# Altium PCB Coral Dev Board Micro.PcbDoc (part 3 of 6)
Units mm, origin at the board's own origin, x right, y up, seen from the top; angles counter-clockwise.
Board outline 65 x 30 mm, 8 copper layers (Top Layer, L2, L3, L4, L5, L6, L7, Bottom Layer), stack 1.582 mm thick; 356 components, 316 nets, 1515 pads, 809 vias.
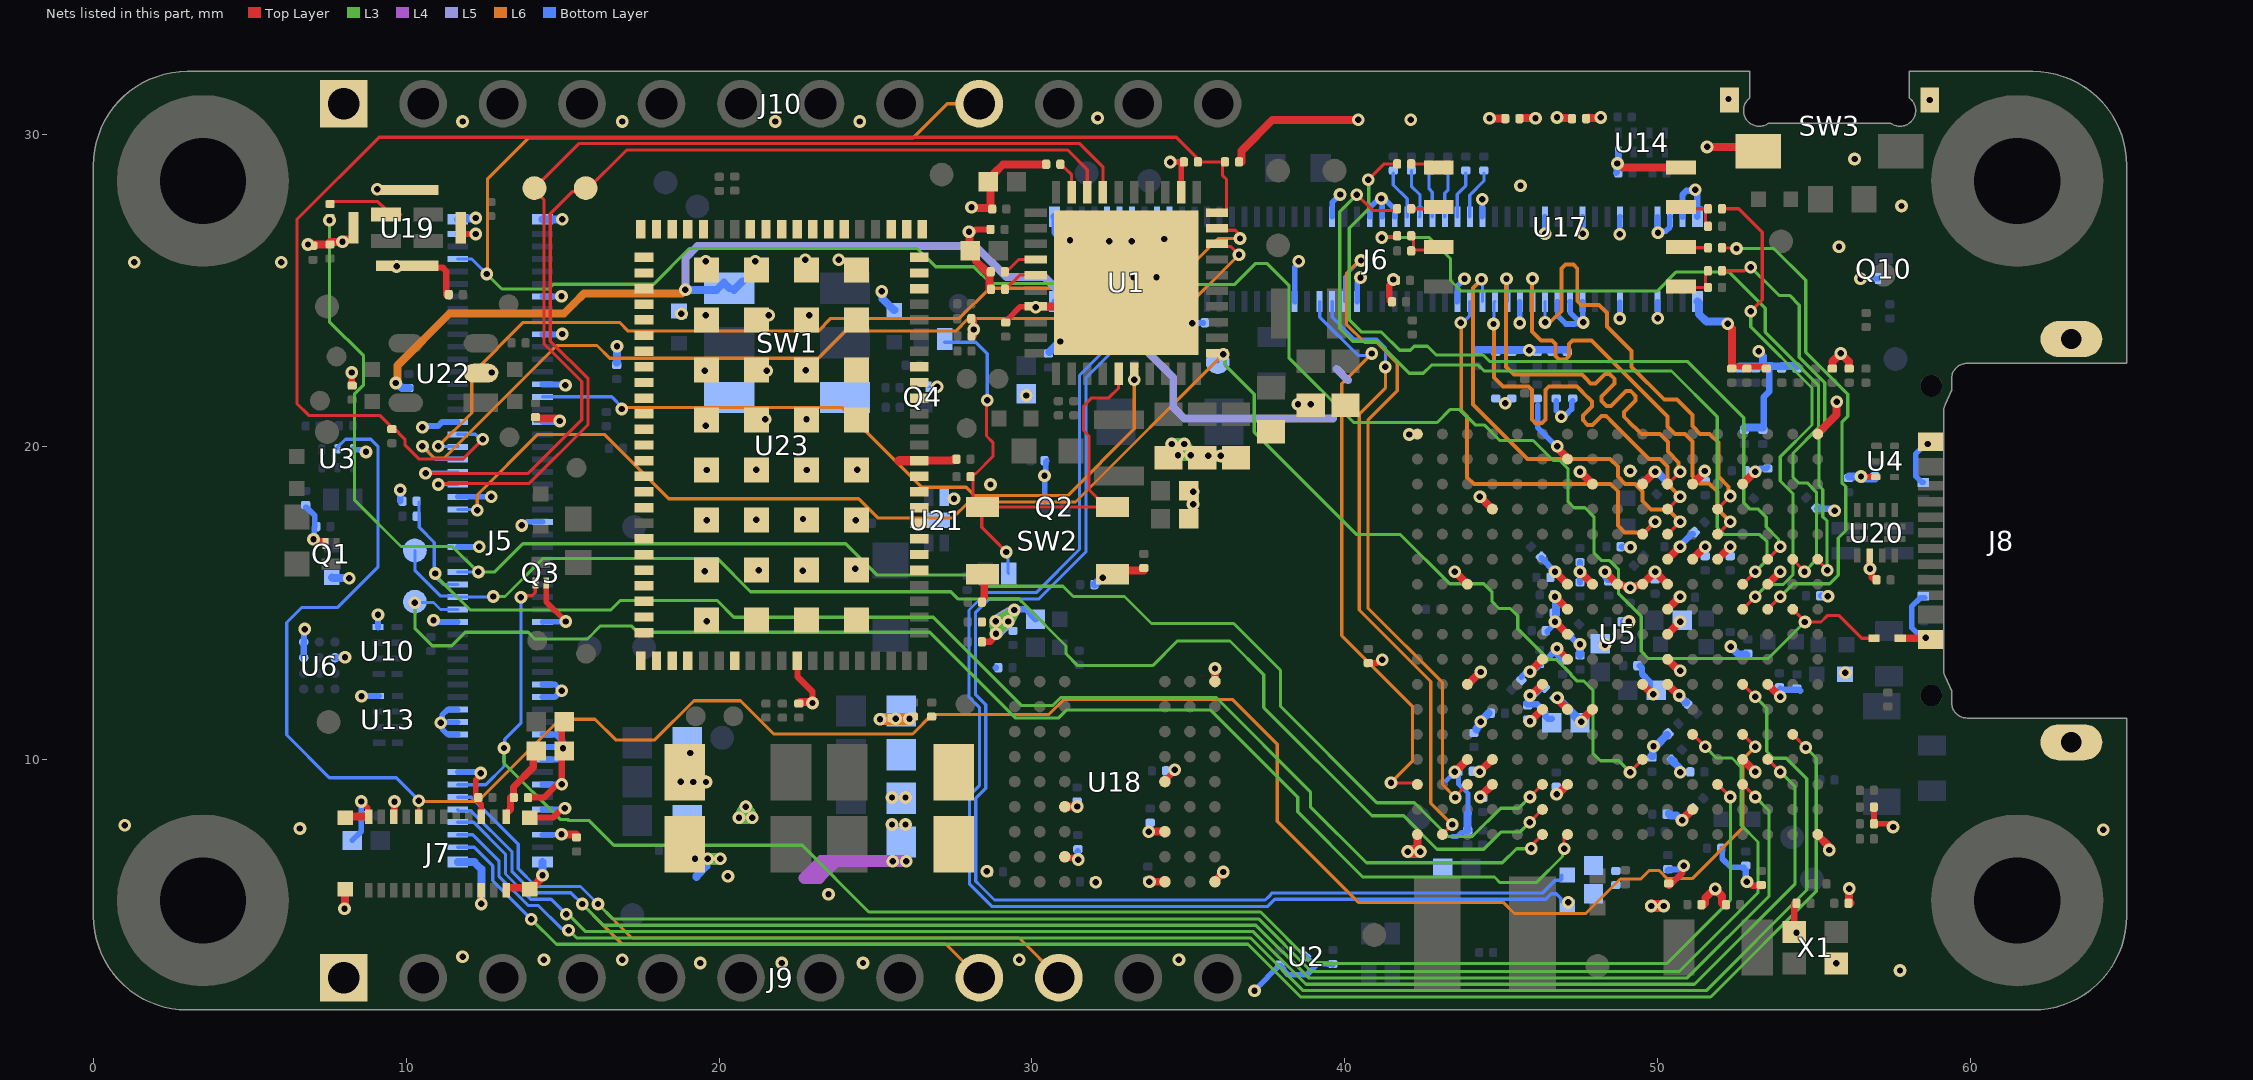
[diagram p9: the nets of this part, all layers, seen from the top]

## Via types
v1: diameter 0.406, hole 0.203, Top Layer to Bottom Layer, tented both sides, 809 vias

## Nets (pads, with @x,y where several pads share a name; then routed paths per layer and width w, separated by ;. In a path a pad name is that pad's centre, name@x,y a point inside that pad or via, vN(x,y) a via of type N, cw(c..) or ccw(c..) an arc to the next point about the centre after c; other vN are vias at no path point) (continued)
CSI_VSYNC: J7.5 U3.2 U5.N14 | length 72.3
  Top Layer w0.102: J7.5@10.399,8.176 v1(10.399,8.682) ; U5.N14@52.722,10.808 v1(53.122,10.408)
  L6 w0.102: v1(10.399,8.682) 10.419,8.661 12.283,8.661 14.915,11.293 16.032,11.293 16.695,10.63 17.945,10.63 19.197,11.882 20.686,11.882 21.747,10.82 26.187,10.82 26.812,11.445 30.546,11.445 31.029,11.928 36.408,11.928 37.846,10.49 37.846,8.026 40.437,5.436 45.062,5.436 45.418,5.08 47.707,5.08 48.813,6.185 49.462,6.185 49.728,6.452 50.063,6.452 50.317,6.198 51.105,6.198 52.73,7.823 52.73,10.016 v1(53.122,10.408)
  Bottom Layer w0.102: U3.2@7.798,19.934 7.798,19.984 8.057,20.244 8.865,20.244 9.093,20.015 9.093,16.154 7.798,14.859 6.652,14.859 6.178,14.385 6.178,10.789 7.544,9.423 9.677,9.423 10.399,8.702 v1(10.399,8.682)
DA_GPIO0_WDOG_KICK: J5.55 TP27.1 U1.21 U5.P10 | length 51.2
  Top Layer w0.102: U1.21@35.92,22.99 36.091,22.99 v1(36.119,22.962) ; v1(49.124,9.601) 49.124,9.61 U5.P10@49.522,10.008
  L3 w0.102: v1(36.119,22.962) 36.177,22.903 36.177,22.614 37.109,21.682 37.109,20.471 40.385,17.196 41.783,17.196 43.358,15.621 44.45,15.621 44.704,15.367 44.704,15.062 44.933,14.834 45.294,14.834 45.529,14.598 45.529,14.186 46.518,13.198 46.772,13.198 47.223,12.746 47.223,12.718 47.432,12.509 47.65,12.509 47.935,12.225 47.935,10.206 48.177,9.964 48.761,9.964 v1(49.124,9.601)
  L6 w0.102: v1(12.268,17.97) 12.268,18.461 14.204,20.396 16.332,20.396 18.39,18.339 24.46,18.339 25.07,17.729 27.475,17.729 27.983,18.237 31.394,18.237 v1(36.119,22.962)
  Bottom Layer w0.102: J5.55@11.645,18 12.268,18 v1(12.268,17.97) ; TP27.1@35.941,22.708 35.941,22.784 v1(36.119,22.962)
DA_GPIO2: J5.63 U1.28 | length 31.4
  Top Layer w0.102: U1.28@35.92,26.49 36.004,26.405 36.351,26.405 v1(36.62,26.137)
  L6 w0.102: v1(10.516,20.015) 10.521,20.015 10.902,19.634 11.206,19.634 14.813,23.241 16.096,23.241 16.502,22.835 23.165,22.835 24.03,23.699 27.568,23.699 27.973,24.105 34.588,24.105 v1(36.62,26.137)
  Bottom Layer w0.102: v1(10.516,20.015) 10.521,20.015 10.936,19.6 J5.63@11.645,19.6
DA_GPIO3: J5.65 U1.29 | length 30.6
  Top Layer w0.102: U1.29@36.209,26.939 36.224,26.924 36.497,26.924 36.594,26.827 36.594,26.719 v1(36.652,26.66)
  L6 w0.102: v1(11.024,20.015) 12.09,21.082 12.09,22.327 13.741,23.978 16.815,23.978 17.094,23.698 23.165,23.698 23.571,24.105 27.683,24.105 28.648,25.07 34.366,25.07 35.957,26.66 v1(36.652,26.66)
  Bottom Layer w0.102: v1(11.024,20.015) 11.031,20.008 11.637,20.008 J5.65@11.645,20
DA_GPIO4_SYS_EN: J5.67 R6.2 R7.1 R9.2 U1.30 | length 46.8
  Top Layer w0.102: v1(12.446,20.244) 12.383,20.244 12.383,20.18 11.811,19.609 10.414,19.609 9.957,20.066 9.957,20.249 9.565,20.64 9.54,20.64 9.515,20.64 9.15,21.006 6.883,21.006 6.502,21.387 6.502,27.268 9.13,29.896 34.62,29.896 35.382,29.133 35.382,29.108 36.098,29.108 36.098,28.672 36.22,28.55 36.22,27.574 36.136,27.49 U1.30@35.92,27.49
  Bottom Layer w0.102: J5.67@11.645,20.4 12.207,20.4 12.364,20.244 v1(12.446,20.244)
DA_IREF: R5.2 U1.4 | length 1.1
  Top Layer w0.102: R5.2@29.21,25.544 29.21,25.595 29.21,25.62 29.579,25.99 U1.4@30.12,25.99
DA_nIRQ: J5.61 TP6.1 U1.37 | length 34.5
  Top Layer w0.102: v1(10.617,19.152) 13.894,19.152 15.608,20.866 15.608,22.09 14.402,23.297 14.402,27.905 14.097,28.21 TP6.1@14.097,28.27 15.519,29.693 31.529,29.693 32.27,28.952 U1.37@32.27,28.267
  Bottom Layer w0.102: v1(10.617,19.152) 10.654,19.188 11.633,19.188 J5.61@11.645,19.2
DA_nONKEY: D1.K D6.K R166.1 SW2.1 SW2.2 U1.15 | length 19
  Top Layer w0.102: v1(28.575,21.488) 28.55,21.463 28.55,20.345 28.753,20.142 28.753,19.69 28.212,19.149 28.187,19.149 28.113,19.075 28.113,19.05 28.113,18.349 28.387,18.075 SW2.1@28.425,18.075 ; v1(29.185,16.637) 28.813,17.009 28.397,17.424 28.397,18.047 SW2.1@28.425,18.075 ; SW2.2@32.575,18.075 SW2.2@32.268,18.075 ; U1.15@32.77,22.467 32.77,21.873 32.461,21.565 31.91,21.565 31.648,21.303 31.648,20.523 31.826,20.345 31.826,18.624 32.268,18.182 SW2.2@32.268,18.075 ; SW2.1@28.425,18.075 SW2.2@32.268,18.075
  Bottom Layer w0.102: D6.K@27.217,23.343 28.208,23.343 28.575,22.976 v1(28.575,21.488) ; v1(29.185,16.637) 29.235,16.586 29.235,15.971 D1.K@29.255,15.951
DA_nRESET: J5.59 TP5.1 U1.38 | length 32.5
  Top Layer w0.102: v1(11.024,18.796) 11.059,18.832 13.929,18.832 15.811,20.714 15.811,22.174 14.605,23.381 14.605,27.457 15.301,28.153 15.707,28.153 17.043,29.489 31.14,29.489 31.77,28.86 U1.38@31.77,28.267
  Bottom Layer w0.102: v1(11.024,18.796) 10.922,18.796 10.918,18.8 J5.59@11.645,18.8
DA_nRESETREQ: J5.74 R4.1 U1.16 | length 23.1
  Top Layer w0.102: U1.16@33.27,22.467 U1.16@33.27,22.34 33.27,22.153 v1(33.274,22.149)
  L6 w0.102: v1(16.891,21.209) 16.942,21.26 23.927,21.26 26.479,18.707 27.897,18.707 28.164,18.44 31.14,18.44 33.274,20.574 v1(33.274,22.149)
  Bottom Layer w0.102: J5.74@14.355,21.6 16.564,21.6 16.891,21.273 v1(16.891,21.209) ; R4.1@33.274,22.098 v1(33.274,22.149)
DA_VDDCORE: C1.2 U1.39 | length 1
  Top Layer w0.102: C1.2@30.953,29.032 30.953,29.002 31.032,28.923 31.041,28.923 31.27,28.694 U1.39@31.27,28.14
DA_VREF: C16.1 U1.5 | length 1.4
  Top Layer w0.102: C16.1@29.185,24.986 29.185,25.016 C16.1@29.195,25.026 ; C16.1@29.185,25.036 29.185,25.066 29.608,25.49 U1.5@30.12,25.49 U1.5@30.374,25.49
DAC_OUT: D31.K J5.95 J10.9 U5.H16 | length 77.9
  Top Layer w0.102: U5.H16@54.322,14.808 54.712,14.418 v1(54.712,14.402) 55.225,14.402 55.428,14.605 55.804,14.605 56.528,13.881 D31.K@56.921,13.881
  L3 w0.102: v1(12.573,25.527) 13.056,25.044 14.554,25.044 14.707,25.197 17.907,25.197 19.05,26.34 26.34,26.34 26.924,25.756 28.143,25.756 28.677,25.222 31.242,25.222 31.699,24.765 34.342,24.765 34.764,25.187 36.469,25.187 37.14,25.857 37.525,25.857 38.217,25.166 38.217,22.848 40.287,20.777 42.952,20.777 43.364,21.189 43.68,21.189 44.168,20.701 44.457,20.701 44.954,20.203 46.024,20.203 46.664,19.564 46.869,19.564 47.142,19.29 47.142,18.239 47.329,18.052 47.683,18.052 47.966,17.769 47.966,16.612 48.214,16.364 48.469,16.364 48.758,16.075 48.758,15.301 49.479,14.58 49.479,13.462 49.708,13.233 53.543,13.233 v1(54.712,14.402)
  L6 w0.102: v1(12.573,25.527) 12.598,25.552 12.598,28.575 13.894,29.87 26.189,29.87 27.289,30.97 28.29,30.97 J10.9@28.32,31
  Bottom Layer w0.102: J5.95@11.645,26 12.1,26 v1(12.573,25.527)
DCDC_1V8_OUT: C19.1 C22.1 C279.1 FB2.1 J6.10 R7.2 R23.2 R24.2 R139.2 R140.2 R141.2 R142.2 R143.2 R144.2 R145.2 R146.2 R147.2 R148.2 R149.2 R150.2 R373.2 R374.2 R416.2 SW1.4 U5.M6 | length 95.4
  Top Layer w0.102: C22.1@45.66,30.493 C22.1@45.672,30.505 ; v1(45.923,11.227) v1@45.932,11.227 ; U5.M6@46.313,11.608 U5.M6@46.322,11.608
  Top Layer w0.254: R7.2@36.698,29.108 36.7,29.11 36.7,29.461 37.694,30.455 v1(40.437,30.455) ; C22.1@45.672,30.505 v1(46.101,30.505) ; v1@45.932,11.227 U5.M6@46.313,11.608 ; C19.1@47.806,30.522 47.816,30.512 48.165,30.512 v1(48.184,30.531) ; R374.2@55.588,22.576 55.593,22.576 55.595,22.578 55.595,22.727 v1(55.855,22.987) 56.119,22.723 56.119,22.578 56.121,22.576 R373.2@56.126,22.576
  L6 w0.254: v1(9.663,22.039) 9.682,22.039 9.69,22.047 9.719,22.076 9.719,22.601 11.375,24.257 15.037,24.257 15.367,24.587 ; 15.367,24.588 15.683,24.905 18.809,24.905 v1(18.923,25.019)
  L5 w0.254: v1(18.923,25.019) 18.923,26.035 19.304,26.416 28.194,26.416 29.185,25.425 30.404,25.425 32.403,23.426 33.312,23.426 34.519,22.22 34.519,21.26 34.874,20.904 39.627,20.904 ; 39.743,22.487 40.101,22.129
  L5 w0.381: v1(49.124,19.228) v1@49.128,19.233
  Bottom Layer w0.102: J6.10@32.8,24.645 32.8,24.41 32.844,24.366 32.859,24.366 32.918,24.306 32.918,23.681 31.521,22.284 31.521,16.721 30.142,15.342 28.55,15.342 27.991,14.783 27.991,12.002 28.321,11.671 28.321,9.169 28.003,8.852 28.003,6.027 28.169,5.862 28.169,5.859 28.719,5.309 37.54,5.309 37.667,5.436 37.769,5.537 46.431,5.537 46.609,5.715 46.761,5.715 46.918,5.559 46.918,5.478 46.96,5.436 v1(47.142,5.436) ; R416.2@47.117,5.291 R416.2@47.117,5.436 ; v1(49.124,19.228) 49.131,19.235 R139.2@49.131,19.271 ; R141.2@53.98,22.576 R141.2@53.985,22.581 ; FB2.1@55.993,12.725 55.993,12.762 v1(56.007,12.776)
  Bottom Layer w0.203: R142.2@53.365,20.62 53.367,20.62 53.391,20.643 53.391,21.591 53.569,21.769 53.569,22.5 53.645,22.576
  Bottom Layer w0.254: v1@9.69,22.028 9.716,22.028 9.863,21.881 10.081,21.881 R24.2@10.084,21.878 ; v1@18.923,25.095 v1(18.923,25.019) 19.922,25.019 20.15,25.248 SW1.4@20.324,25.074 ; SW1.4@20.473,25.019 SW1.4@20.747,25.293 ; R146.2@44.221,23.104 44.831,23.104 44.852,23.104 44.863,23.094 45.23,23.094 45.239,23.102 45.337,23.102 45.339,23.104 45.341,23.102 45.439,23.102 45.443,23.099 45.888,23.099 v1(45.898,23.089) 45.914,23.104 46.152,23.104 46.634,23.104 R150.2@47.116,23.104 ; R144.2@52.629,22.576 53.137,22.576 53.391,22.576 ; R140.2@52.781,20.62 R142.2@53.365,20.62 ; v1(53.238,23.052) 53.238,23.011 53.365,22.884 53.365,22.584 53.637,22.584 53.645,22.576 R141.2@53.98,22.576 ; R141.2@53.985,22.581 R23.2@54.458,22.581
DCDC_1V8_OUT_SENSE: C118.1 C124.1 C138.1 C280.1 J6.12 R416.1 U5.M7 U5.M8 | length 44.5
  Top Layer w0.102: v1@46.799,11.931 v1(46.799,11.976) ; v1(47.561,11.214) v1@47.561,11.248
  Top Layer w0.254: v1@46.799,11.931 U5.M7@47.122,11.608 ; v1@47.561,11.248 U5.M8@47.922,11.608
  Bottom Layer w0.102: J6.12@33.2,24.645 33.2,24.41 33.122,24.332 33.122,23.597 31.725,22.2 31.725,16.637 30.226,15.138 28.634,15.138 28.194,14.699 28.194,12.09 28.524,11.76 28.524,9.08 28.207,8.763 28.207,6.111 28.372,5.946 28.372,5.944 28.804,5.512 37.456,5.512 37.583,5.639 37.685,5.74 46.33,5.74 46.736,6.147 46.787,6.147 46.918,6.147 46.939,6.168 R416.1@46.939,6.316 ; C138.1@47.522,11.259 47.561,11.219 v1(47.561,11.214)
  Bottom Layer w0.203: v1(46.799,11.976) 46.806,11.976 46.894,11.888 46.896,11.888 47.339,11.445 47.339,11.366 C138.1@47.522,11.183
  Bottom Layer w0.254: C124.1@46.77,12.005 C124.1@46.775,12.01 ; C124.1@46.802,11.983 47.339,11.445 47.339,11.442 47.516,11.265 47.561,11.265 C138.1@47.561,11.219
DCDC_PSWITCH: C286.1 R396.2 U5.P3 | length 3.7
  Top Layer w0.254: v1(43.522,9.608) U5.P3@43.922,10.008
  Bottom Layer w0.15: 43.246,9.332 43.376,9.462 43.496,9.462 C286.1@43.641,9.607 ; 43.441,7.544 43.442,7.545 43.591,7.545 43.727,7.681 43.874,7.681 R396.2@43.929,7.736 ; C286.1@43.641,9.627 C286.1@43.641,9.607 ; 43.942,8.277 43.942,8.919 43.641,9.22 C286.1@43.641,9.607
  Bottom Layer w0.254: R396.2@43.929,7.736 43.929,8.265 43.942,8.277
DMIC_DATA0: J5.45 R87.2 U5.R6 | length 54.7
  Top Layer w0.102: v1(45.922,8.808) U5.R6@46.322,9.208
  L3 w0.102: v1(7.544,27.241) 7.544,23.998 8.636,22.906 8.636,21.981 8.341,21.687 8.341,18.303 9.83,16.815 11.468,16.815 12.281,16.002 12.827,16.002 13.729,16.904 24.051,16.904 25.054,15.9 28.067,15.9 28.423,15.545 30.996,15.545 31.326,15.215 32.961,15.215 33.825,14.351 36.449,14.351 37.948,12.852 37.948,11.704 41.028,8.623 42.233,8.623 43.312,7.544 44.082,7.544 44.983,8.445 45.559,8.445 v1(45.922,8.808)
  Bottom Layer w0.102: J5.45@11.645,16 11.646,16.001 v1(12.306,16.002) v1(12.306,16.002)
DMIC_DATA0_ONBOARD: R87.1 U19.1 | length 2.4
  Top Layer w0.102: R87.1@7.563,27.838 9.093,27.838 9.324,27.608 9.324,27.599 9.498,27.425 U19.1@9.825,27.425
DMIC_DATA1: J5.43 R37.1 R38.2 U5.U6 | length 43.7
  Top Layer w0.102: v1@46.015,7.292 46.322,7.6 U5.U6@46.322,7.608
  L3 w0.102: v1(10.922,15.951) 10.922,15.9 12.04,14.783 16.535,14.783 16.84,15.088 19.939,15.088 20.472,14.554 26.848,14.554 29.439,11.963 29.439,11.958 29.662,11.735 30.676,11.735 30.93,11.989 35.885,11.989 38.904,8.969 38.904,8.497 40.696,6.706 45.042,6.706 45.49,7.154 45.953,7.154 v1(45.961,7.163)
  Bottom Layer w0.102: R38.2@10.404,18.237 10.404,17.78 10.414,17.77 10.414,17.424 10.897,16.942 10.897,15.977 10.98,15.893 10.98,15.804 11.184,15.6 J5.43@11.645,15.6
DMIC_DATA2__JTAG_TCK: J5.41 TP21.1 U5.T6 | length 43.5
  Top Layer w0.102: v1(45.915,8.001) U5.T6@46.322,8.408
  L3 w0.102: v1(12.776,15.215) 13.157,15.215 14.376,16.434 19.939,16.434 21.006,15.367 27.407,15.367 27.635,15.138 29.586,15.138 29.794,14.93 31.09,13.635 31.09,13.386 31.471,13.005 33.858,13.005 34.646,13.792 36.335,13.792 37.414,12.713 37.414,11.663 40.873,8.204 41.885,8.204 42.951,7.137 44.445,7.137 44.991,7.683 45.597,7.683 v1(45.915,8.001)
  Bottom Layer w0.102: TP21.1@10.274,16.688 10.274,16.053 11.1,15.227 11.618,15.227 J5.41@11.645,15.2 12.838,15.2 12.81,15.227 12.785,15.202 12.776,15.211 v1(12.776,15.215)
DMIC_DATA3__JTAG_TMS: J5.39 TP24.1 U5.U7 | length 44.5
  Top Layer w0.102: v1(47.015,7.15) 47.015,7.501 U5.U7@47.122,7.608
  L3 w0.102: v1(10.274,15.011) 10.274,14.199 10.833,13.64 11.455,13.64 11.887,14.072 13.894,14.072 14.108,13.858 15.793,13.858 16.21,14.275 17.196,14.275 17.399,14.072 26.737,14.072 29.48,11.328 30.844,11.328 31.098,11.582 35.716,11.582 38.498,8.801 38.498,8.329 40.578,6.248 44.788,6.248 44.966,6.071 46.129,6.071 46.962,6.904 46.962,7.097 v1(47.015,7.15)
  Bottom Layer w0.102: TP24.1@10.428,15.024 10.871,15.024 11.095,14.8 J5.39@11.645,14.8
DVDD15: C35.1 C80.1 J7.12 | length 2.5
  Top Layer w0.229: J7.12@13.2,8.175 13.2,8.28 13.331,8.411 13.331,8.78 C80.1@13.365,8.814 ; C80.1@13.365,8.788 C80.1@13.365,8.814 ; C35.1@14.153,10.278 14.059,10.184 14.059,9.759 13.426,9.126 13.426,8.874 C80.1@13.366,8.814
ENET_RGMII_MDC: J6.44 U5.U2 | length 19.9
  Top Layer w0.102: U5.U2@43.122,7.608 43.122,7.61 43.434,7.922 v1(43.434,7.925)
  L6 w0.102: v1(41.3,22.555) 41.3,21.877 40.462,21.039 40.462,14.783 42.748,12.497 42.748,8.611 v1(43.434,7.925)
  Bottom Layer w0.102: J6.44@39.6,24.645 39.6,24.145 40.3,23.444 41.026,23.444 41.3,23.17 v1(41.3,22.555)
ENET_RGMII_MDIO: J6.46 U5.R3 | length 22
  Top Layer w0.102: v1(43.536,8.788) 43.536,8.822 U5.R3@43.922,9.208
  L6 w0.102: v1(40.523,25.959) 40.483,25.959 40.054,25.531 40.054,23.915 40.632,23.338 41.021,23.338 41.681,22.677 41.681,21.793 40.742,20.853 40.742,14.849 43.129,12.461 43.129,9.195 v1(43.536,8.788)
  Bottom Layer w0.102: J6.46@40,24.645 40,25.446 40.513,25.959 v1(40.523,25.959)
ENET_RGMII_RX_EN: J6.76 U5.E13 | length 13.9
  Top Layer w0.102: U5.E13@51.922,17.208 v1(52.322,17.608)
  L6 w0.127: v1(46.003,25.379) 45.992,25.367 45.992,23.68 46.279,23.393 46.33,23.393 46.629,23.393 46.737,23.285 46.737,22.905 46.845,22.797 47.061,22.797 47.169,22.905 47.169,23.285 47.277,23.393 47.34,23.393 47.893,23.393 50.322,20.965 50.322,20.651 50.559,20.414 50.872,20.414 51.116,20.171 51.116,19.067 51.348,18.834 51.653,18.834 51.916,18.571 51.916,18.014 v1(52.322,17.608)
  Bottom Layer w0.102: J6.76@46,24.645 46.002,24.647 46.002,25.377 v1(46.003,25.379)
ENET_RGMII_RXC: J6.78 U5.D13 | length 14
  Top Layer w0.102: U5.D13@51.922,18.008 51.922,18.017 52.322,18.417 v1(52.322,18.426)
  L6 w0.127: v1(46.406,23.978) 46.459,24.031 46.612,24.031 46.927,24.346 46.927,24.663 46.927,25.183 46.927,25.702 47.054,25.829 47.308,25.829 47.435,25.702 47.435,24.663 47.562,24.536 48.057,24.536 48.134,24.536 48.387,24.283 48.387,23.85 49.174,23.063 49.174,22.555 50.216,21.514 50.622,21.514 51.116,21.02 51.116,20.665 51.128,20.652 51.128,20.645 51.359,20.414 51.669,20.414 51.943,20.14 51.943,19.05 52.269,18.724 52.269,18.461 v1@52.322,18.408
  Bottom Layer w0.102: J6.78@46.4,24.645 46.403,24.642 46.403,23.98 v1(46.406,23.978)
ENET_RGMII_RXD0: J6.70 U5.D11 | length 13.9
  Top Layer w0.102: U5.D11@50.322,18.008 v1(50.722,18.408)
  L6 w0.127: v1(44.755,23.927) 44.77,23.912 44.77,22.215 45.06,21.925 45.38,21.925 45.875,21.925 45.983,21.817 45.983,20.871 46.091,20.763 46.307,20.763 46.415,20.871 46.415,21.817 46.523,21.925 46.68,21.925 47.423,21.925 47.55,21.799 47.594,21.754 47.9,21.449 47.9,21.296 47.611,21.008 47.611,20.855 47.764,20.702 47.917,20.702 48.205,20.991 48.358,20.991 48.457,20.891 48.502,20.847 49.734,19.614 50.072,19.614 50.316,19.371 50.316,18.814 v1(50.722,18.408)
  Bottom Layer w0.102: v1(44.755,23.927) 44.777,23.949 44.777,24.622 J6.70@44.8,24.645
ENET_RGMII_RXD1: J6.68 U5.E11 | length 13.9
  Top Layer w0.102: U5.E11@50.322,17.208 v1(50.722,17.608)
  L6 w0.127: v1(44.374,25.362) 44.374,25.339 44.107,25.072 44.107,21.349 45.842,19.614 48.483,19.614 48.73,19.367 48.73,19.05 48.966,18.814 49.281,18.814 49.517,18.578 49.517,18.27 49.786,18.002 50.328,18.002 v1(50.722,17.608)
  Bottom Layer w0.102: v1(44.374,25.362) 44.4,25.336 J6.68@44.4,24.645
ENET_RGMII_RXD2: J6.66 U5.E10 | length 14
  Top Layer w0.102: U5.E10@49.522,17.208 v1(49.922,17.608)
  L6 w0.127: v1(43.713,23.962) 43.726,23.95 43.726,21.161 43.917,20.97 43.917,19.025 44.127,18.814 48.496,18.814 48.73,18.58 48.73,17.488 48.951,17.267 49.581,17.267 v1(49.922,17.608)
  Bottom Layer w0.102: v1(43.713,23.962) 43.774,23.962 44,24.188 J6.66@44,24.645 ; v1@49.892,17.608 v1(49.922,17.608)
ENET_RGMII_RXD3: J6.72 U5.C11 | length 13.9
  Top Layer w0.102: U5.C11@50.322,18.808 v1(50.722,19.208)
  L6 w0.127: v1(45.174,25.375) 45.16,25.361 45.16,22.552 45.405,22.306 47.589,22.306 47.663,22.233 47.708,22.188 47.865,22.031 48.017,22.031 48.316,22.329 48.468,22.329 48.621,22.176 48.621,22.024 48.213,21.616 48.213,21.463 48.366,21.311 48.519,21.311 48.991,21.784 49.144,21.784 49.297,21.631 49.297,21.478 48.933,21.115 48.933,20.962 49.239,20.657 49.284,20.612 49.481,20.414 50.072,20.414 50.328,20.158 50.328,19.845 50.669,19.505 50.669,19.261 v1(50.722,19.208)
  Bottom Layer w0.102: v1(45.174,25.375) 45.2,25.348 J6.72@45.2,24.645
ENET_RGMII_TX_EN: J6.63 R20.1 | length 1.5
  Bottom Layer w0.102: J6.63@43.6,27.355 43.6,28.081 43.871,28.351 R20.1@43.871,28.758
ENET_RGMII_TXC: J6.65 R26.1 | length 1.6
  Bottom Layer w0.102: J6.65@44,27.355 44,28.049 44.45,28.499 R26.1@44.45,28.758
ENET_RGMII_TXD0: J6.61 R19.1 | length 1.4
  Bottom Layer w0.102: J6.61@43.2,27.355 43.2,28.112 43.307,28.219 R19.1@43.307,28.758
ENET_RGMII_TXD1: J6.59 R18.1 | length 1.4
  Bottom Layer w0.102: R18.1@42.697,28.758 42.697,28.245 42.8,28.142 J6.59@42.8,27.355
ENET_RGMII_TXD2: J6.57 R16.1 | length 1.6
  Bottom Layer w0.102: R16.1@42.134,28.833 42.134,28.326 42.409,28.051 42.409,27.364 J6.57@42.4,27.355
ENET_RGMII_TXD3: J6.55 R10.1 | length 1.6
  Bottom Layer w0.102: R10.1@41.554,28.758 41.554,28.372 42,27.926 J6.55@42,27.355
ETHPHY_RST_B: J6.42 U5.R1 | length 18.9
  Top Layer w0.102: v1(41.478,9.258) 42.272,9.258 U5.R1@42.322,9.208
  L6 w0.102: v1(40.864,22.982) 39.903,22.022 39.903,13.965 42.164,11.704 42.164,9.944 v1(41.478,9.258)
  Bottom Layer w0.102: J6.42@39.2,24.645 39.2,24.148 40.429,22.919 40.56,22.919 40.565,22.924 40.805,22.924 v1(40.864,22.982)
Flash_CS: R72.1 R79.2 U17.1 | length 1.3
  Top Layer w0.102: U17.1@50.752,25.121 50.778,25.095 R72.1@51.537,25.095 ; R72.1@51.537,25.116 R79.2@51.537,25.629
Flash_D0: R76.2 U17.5 | length 0.8
  Top Layer w0.102: R76.2@42.202,29.045 42.888,29.045 U17.5@43.002,28.931
Flash_D1: R78.2 U17.2 | length 0.9
  Top Layer w0.102: U17.2@50.598,26.365 R78.2@51.498,26.365
Flash_D2: R74.1 R85.2 U17.3 | length 1.4
  Top Layer w0.102: U17.3@50.624,27.61 R85.2@51.498,27.61 ; R74.1@51.537,27.051 R85.2@51.537,27.61
Flash_D3: R73.1 R84.2 U17.7 | length 1.3
  Top Layer w0.102: R73.1@42.202,26.264 R73.1@42.202,26.289 ; R84.2@42.202,26.746 R73.1@42.202,26.289 ; U17.7@43.002,26.391 42.9,26.289 R73.1@42.202,26.289
Flash_SCK: R75.2 U17.6 | length 0.8
  Top Layer w0.102: R75.2@42.202,27.61 42.951,27.61 U17.6@43.002,27.661
FLEXPWM1_PWM0_A: J5.9 J9.10 U5.N12 | length 67.3
  Top Layer w0.102: U5.N12@51.122,10.808 v1(51.522,10.408)
  L3 w0.102: v1(16.129,5.385) 16.604,4.91 37.246,4.91 38.93,3.226 50.698,3.226 53.213,5.74 53.213,7.366 52.678,7.901 52.678,9.755 52.38,10.052 51.878,10.052 v1(51.522,10.408)
  L6 w0.102: v1(16.129,5.385) 17.214,4.3 29.59,4.3 J9.10@30.86,3.03
  Bottom Layer w0.102: J5.9@11.645,8.8 12.079,8.8 13.579,7.3 13.579,6.513 14.146,5.946 15.568,5.946 v1(16.129,5.385)
FLEXPWM1_PWM0_B: J5.7 J9.9 U5.R14 | length 63.2
  Top Layer w0.102: U5.R14@52.722,9.208 v1(53.122,8.808)
  L3 w0.102: v1(15.621,5.385) 16.299,4.706 37.162,4.706 38.846,3.023 50.952,3.023 53.564,5.634 53.564,8.366 v1(53.122,8.808)
  L6 w0.102: v1(15.621,5.385) 16.909,4.097 27.253,4.097 J9.9@28.32,3.03
  Bottom Layer w0.102: J5.7@11.645,8.4 11.689,8.356 12.083,8.356 13.376,7.063 13.376,6.428 14.062,5.742 15.263,5.742 v1(15.621,5.385)
FLEXPWM1_PWM1_A: J5.11 Q3.1 U5.R13 | length 55.2
  Top Layer w0.102: v1(13.665,15.189) 13.716,15.24 14.021,15.24 14.125,15.344 Q3.1@14.125,15.652 ; U5.R13@51.922,9.208 v1(52.322,8.808)
  L3 w0.102: v1(13.124,10.371) 13.124,9.889 14.924,8.089 15.161,8.089 15.198,8.052 15.85,8.052 16.637,7.264 22.657,7.264 24.79,5.131 37.313,5.131 38.964,3.48 50.292,3.48 52.337,5.524 52.337,8.793 v1(52.322,8.808)
  Bottom Layer w0.102: J5.11@11.645,9.2 11.65,9.195 12.537,9.195 13.124,9.781 v1(13.124,10.371) 13.147,10.394 13.147,10.647 13.665,11.165 v1(13.665,15.189)
FLEXPWM1_PWM1_B: J5.5 U5.P15 | length 50.9
  Top Layer w0.102: U5.P15@53.522,10.008 v1(53.922,9.608)
  L3 w0.102: v1(15.113,5.055) 15.184,5.055 15.735,4.503 37.078,4.503 38.762,2.819 51.181,2.819 54.399,6.037 54.399,9.131 v1(53.922,9.608)
  Bottom Layer w0.102: J5.5@11.645,8 12.152,8 13.172,6.979 13.172,6.344 13.977,5.539 14.628,5.539 v1(15.113,5.055)
FLEXPWM2_PWM1_A: J5.3 U5.L14 | length 54.5
  Top Layer w0.102: U5.L14@52.722,12.408 v1(53.122,12.008)
  L3 w0.102: v1(15.189,4.547) 15.199,4.547 15.445,4.3 36.994,4.3 38.677,2.616 51.557,2.616 54.773,5.831 54.773,9.388 54.115,10.045 53.709,10.045 53.492,10.262 53.492,11.638 v1(53.122,12.008)
  Bottom Layer w0.102: J5.3@11.645,7.6 12.123,7.6 12.969,6.754 12.969,6.26 13.893,5.336 14.222,5.336 14.953,4.605 15.131,4.605 v1(15.189,4.547)
FLEXPWM2_PWM1_B: J5.1 U5.N16 | length 52.4
  Top Layer w0.102: U5.N16@54.322,10.808 v1(54.741,10.389)
  L3 w0.102: v1(13.995,4.902) 14.801,4.097 36.91,4.097 38.593,2.413 51.697,2.413 55.077,5.794 55.077,10.053 v1(54.741,10.389)